# Allegro board C000PC009-HI3516DV300-CORE-A-A01.brd (continued)
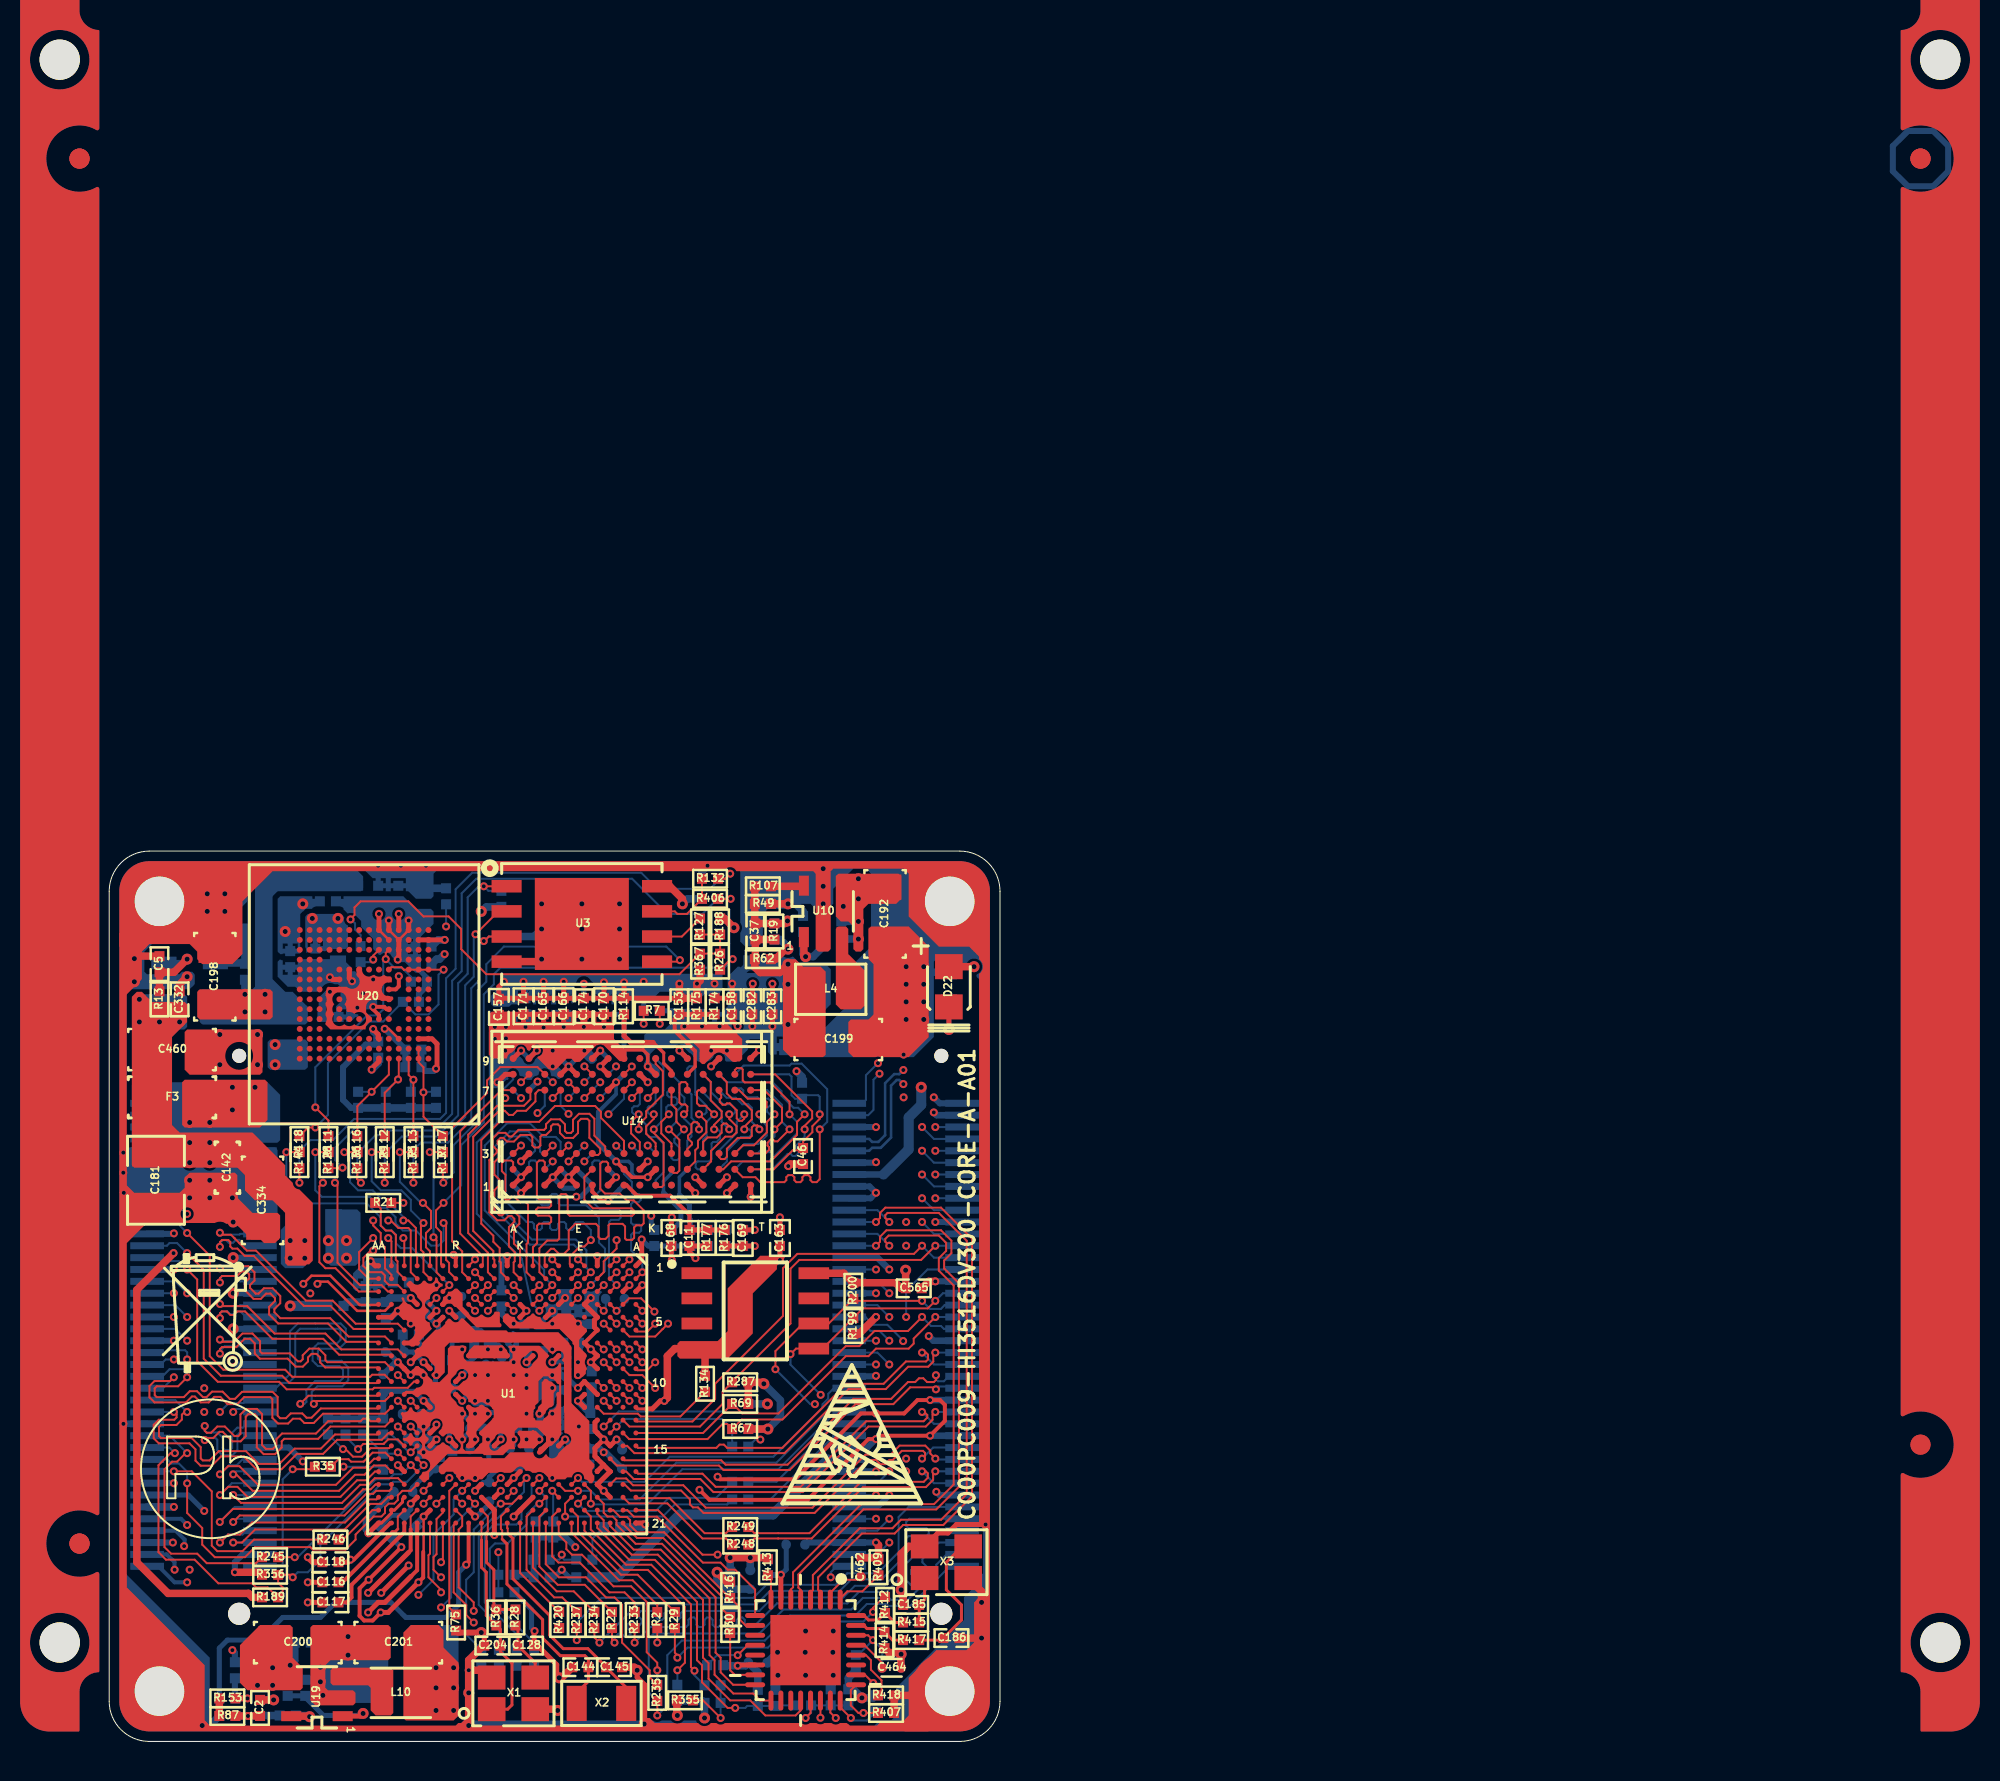
[diagram p0: board, top side]
## Nets (continued)
$25N69: R30.1(A) U1.B21(RMII_CLK/GPIO7_2/LCD_HSYNC)
$25N1561: R249.1(A) U1.A19(DSI_D3P/GPIO9_0/LCD_DATA16)
$25N1562: R248.1(A) U1.B19(DSI_D3N/GPIO9_1/LCD_DATA17)
$25N1563: R205.2(B) R247.2(B) U1.W16(SPI0_SCLK/GPIO4_2/I2C0_SCL)
$25N1564: R246.2(B) U1.AA20(VI_VS/GPIO4_6/SENSOR1_CLK)
$25N1565: R245.2(B) U1.V17(SENSOR0_CLK/GPIO4_0)
$25N1576: R35.2(B) U1.Y16(VI_CLK/GPIO2_3/VOU_CLK)
$27N556: R132.1(A) R406.1(A) U3.7(\\H\O\LD\)
$27N1472: R146.1(A) U20.H5(RCLK/DS)
$27N1480: C55.1(A) C57.1(A) U20.C2(VDDI)
N14034: R2.1(A) U1.F21(GPIO0_6/LCD_CLK/VOU_CLK)
N15637: C56.1(A) R25.2(B)
N23259: C423.1(A) R308.2(B) U19.1(EN)
N23347: D22.2(B) R225.2(B)
N23431: C81.1(A) R170.2(B) U10.1(EN)

Pads without a net: ID1 1; ID2 1; ID3 1; ID4 1; ID5 1; ID6 1; R420 2; R421 2; R422 2; R423 2; R424 2; U1 B12 E5; U14 J1 J9 L1 L9; U15 J1 J9 L1 L9; U20 A1 A2 A7 A8 A9 A10 A11 A12 A13 A14 B1 B3 B4 B5 B6 B7 B8 B9 B10 B11 B12 B13 B14 C1 C3 C5 C7 C8 C9 C10 C11 C12 C13 C14 D1 D2 D3 D4 D12 D13 D14 E1 E2 E3 E5 E8 E9 E10 E12 E13 E14 F1 F2 F3 F10 F12 F13 F14 G1 G2 G3 G10 G12 G13 G14 H1 H2 H3 H12 H13 H14 J1 J2 J3 J12 J13 J14 K1 K2 K3 K6 K7 K10 K12 K13 K14 L1 L2 L3 L12 L13 L14 M1 M2 M3 M7 M8 M9 M10 M11 M12 M13 M14 N1 N3 N6 N7 N8 N9 N10 N11 N12 N13 N14 P1 P2 P7 P8 P9 P10 P11 P12 P13 P14; U21 11 13 18 19 27; U59 1 2 3 7

## Via types
v1: diameter 0.406, hole 0.203, TOP to BOTTOM, 594 vias
v2: diameter 0.559, hole 0.254, TOP to BOTTOM, 140 vias

## Routing (per net, layer and track width the routed paths; a pad name or vN(x,y) marks a point on that pad's centre or on a via; arc(x,y) is an arc through that point)
1V8: length 39.4
  TOP w0.381: v1(3.25,24.68) 1.4,22.83 1.4,9.06 2.97,7.48 7.04,7.48 7.24,7.28 R189.1
  ART03 w0.381: v2(6.86,36.87) 5.46,36.87 2.41,33.82 2.41,25.52 v1(3.25,24.68)
  BOTTOM w0.381: R3.1 v2(6.86,37.76)
  vias: v2(7.87,37.76) v2(7.87,36.87)
1V8_SOC: length 23.8
  TOP w0.254: v1(16.53,21.11) 16.86,21.44 U1.T5 ; U1.U15 16.21,14.94 v1(16.53,15.26) ; U1.U14 16.21,15.59 16.53,15.91 v1(16.53,16.02) ; U1.K17 20.43,13.32 v1(20.43,13.32) U1.L18 ; U1.U12 v1(15.88,17.21)
  ART03 w0.254: v1(23.55,9.82) 23.47,9.9 22.02,9.9 21.21,10.71 21.21,12.54 v1(20.43,13.32)
  BOTTOM w0.254: C22.1 13.93,17.69 15.4,17.69 v1(15.88,17.21) 16.19,17.21 16.45,16.96 C122.2 16.45,16.81 16.26,16.81 16,16.55 C139.2 ; C125.1 16.49,21.11 v1(16.53,21.11) 16.64,21.01 R148.2 ; C141.2 16.49,15.3 v1(16.53,15.26)
  BOTTOM w0.305: R204.1 R207.1 R205.1 R208.1 C22.1 ; v1(23.55,9.82) 23.06,10.3 R197.2 R195.2 21.54,9.41 21.44,9.31 R89.1 R40.1 21.31,8.42 R143.1
  vias: v2(8.38,35.22) v2(8.38,34.2)
3V3: length 39.3
  TOP w0.254: v1(31.75,3.83) 31.79,3.86 U21.14
  TOP w0.381: U3.8 28.32,43.22 28.96,42.59 v2(28.96,42.33) ; R199.2 37.87,20.59 v1(38.74,21.45) ; R413.1 33.2,9.29 v2(32.39,9.29) v2(31.37,9.29) ; 42.42,39.16 v2(43.69,39.16) ; R188.1 31.09,41.6 v2(31.56,41.13) ; R69.2 R287.1 32.99,18.15 v2(33.07,18.08) ; v2(33.27,15.79) R67.2 ; U59.8 37.11,23.66 R200.2 39.73,23.18 40.01,22.9 C565.2 v2(40.23,23.82)
  BOTTOM w0.254: R108.2 9.58,39.95 ; R108.2 9.14,40.38 ; R108.2 8.71,39.95 ; 10.21,42.46 R109.2 10.21,42.24
  BOTTOM w0.381: R192.1 19.05,42.18 18.82,41.95 v2(18.8,41.95) ; R411.2 38.61,2.2 v2(38.02,2.2) 37.59,2.63 R408.2 37.34,3.2 LB1.1 ; R366.1 29.21,42.59 v2(28.96,42.33) ; R96.1 29.97,2.05 R206.1 v2(30.07,1.18) ; R196.1 32.77,3.51 C461.1 32.14,3.83 v1(31.75,3.83) 31.04,3.83 R419.1 ; R170.1 v2(37.85,40.55) ; C120.1 v2(31.37,9.29) ; C466.1 v2(32.39,9.29) 32.41,9.31 33.16,9.31 LB2.1 ; C69.1 v2(37.85,41.44) ; C98.1 9.37,4.08 v2(9.14,3.85) 9.02,3.72 R308.1 ; R67.2 v2(33.27,15.79) 33.91,16.42 33.91,17.24 v2(33.07,18.08)
  vias: v2(1.52,37.51) v2(1.52,36.36) v2(2.54,36.36) v2(3.56,36.36) v2(4.06,30.27) v2(4.06,29.25) v2(5.08,30.27) v2(5.08,29.25) v2(7.49,2.84) v2(8.26,3.72) v2(8.26,2.84) v2(8.89,40.94) v2(9.14,25.31) v2(9.14,24.43) v2(9.78,42.33) v2(9.88,25.31) v2(9.88,24.43) v2(37.08,42.21) v2(37.85,43.6) v2(37.85,42.59)
3V3_SOC: length 18.1
  TOP w0.254: U1.V8 v1(15.23,19.17)
  TOP w0.381: 23.16,16.73 23.16,19.88 22.77,20.27
  BOTTOM w0.254: R39.2 15.64,20.13 R149.2 16.53,19.24 v1(16.53,18.52) 16.48,18.47 LB14.1 ; LB19.1 22,19.82 v1(22.38,19.82) ; C36.2 15.33,12.83 15.75,13.25 15.91,13.25 C126.2 16.69,13.79 16.78,13.87 17.31,13.87 LB11.1 17.59,13.65 17.59,13.56 v1(17.83,13.32) v1(18.48,13.32) 18.48,13.5 C95.1
  BOTTOM w0.305: LB16.1 21.54,13.9 C94.1 21.77,13.96 22.38,13.35 v1(22.38,13.32) ; v1(23.72,15.92) 23.72,15.43 24.26,14.9 LB5.1 24.81,14.79 v1(24.98,14.62) 25.09,14.62 C93.1
  vias: v2(11.07,25.31) v2(11.07,24.43) v2(11.99,25.31) v2(11.99,24.43)
5V0_USB: length 68.7
  ART03 w0.254: v2(9.14,22.01) 7.24,23.92 7.24,31.66 9.14,33.57 9.14,39.28 10.92,41.06 10.92,42.08 12.47,43.63 16.41,43.63 16.66,43.88 29.74,43.88 30.4,43.22 34.54,43.22 35.18,42.59 35.18,42.21 39.4,37.99 39.4,36.34 41.02,34.71 v2(41.02,33.06)
  BOTTOM w0.33: 39.12,28.65 J1.68
  BOTTOM w0.508: v2(41.02,33.06) 41.02,32.17 40.39,31.54 40.39,29.92 39.12,28.65 ; R76.2 v2(9.14,22.01)
AVDD09_HDMITX: length 2.2
  TOP w0.254: U1.R10 17.51,18.19 v1(17.83,18.52)
  BOTTOM w0.254: v1(17.83,18.52) 18.07,18.75 C100.1 18.44,19.41 LB15.2
AVDD09_PLL: length 1.8
  TOP w0.254: v1(19.78,15.26) 19.46,14.94 U1.M15
  BOTTOM w0.254: LB17.2 19.9,15.85 C102.1 19.78,15.73 v1(19.78,15.26)
AVDD33_AC: length 1.7
  TOP w0.254: v1(17.18,15.26) 17.51,14.94 U1.R15
  BOTTOM w0.254: LB11.2 17.34,15.11 v1(17.18,15.26) 17.18,15.73 C96.1
AVDD33_DDR_PLL: length 1.8
  TOP w0.254: U1.J8 v1(21.08,19.17)
  BOTTOM w0.254: LB19.2 21.08,19.68 v1(21.08,19.17) 21.3,18.94 C104.1
AVDD33_HDMITX: length 2
  TOP w0.254: U1.R11 17.51,17.54 v1(17.83,17.21)
  BOTTOM w0.254: LB14.2 17.31,17.87 C99.1 18.03,17.42 v1(17.83,17.21)
AVDD33_PLL: length 2.5
  TOP w0.254: v1(18.48,12.67) 18.48,12.69 18.78,12.99 U1.N18
  BOTTOM w0.254: v1(18.48,12.67) 18.9,13.08 C101.1 19.2,13.36 19.74,13.9 LB16.2
AVDD33_USB: length 2.6
  TOP w0.254: U1.U9 v1(15.88,19.17)
  BOTTOM w0.254: v1(15.88,19.17) 15.37,19.68 C110.2 14.83,19.76 R39.1
AVDD3318_MIPITX: length 2.3
  TOP w0.254: v1(23.03,15.26) 22.71,14.94 U1.G15
  BOTTOM w0.305: LB5.2 24.1,14 C123.2 23.37,14.93 v1(23.03,15.26)
AVDD_BAT_RTC: length 8.4
  TOP w0.254: U1.M19 v1(19.78,12.67)
  ART03 w0.254: v1(22.86,8.68) 22.86,8.68 21.85,8.68 19.33,11.19 19.33,12.21 v1(19.78,12.67)
  BOTTOM w0.254: R91.2 23.24,8.3 v1(22.86,8.68) 22.48,8.3 R40.2
DDRIO_1.5V/1.35V: length 75.7
  TOP w0.178: 25.35,35.22 25.62,34.95 26.97,34.95 27.2,34.72 v1(27.2,34.12) ; 26.4,28.52 v1(27.2,28.52)
  TOP w0.203: v1(25.21,27.32) 24.88,27.32 24.4,27.79 24.4,28.12 U14.F1 ; v1(25.61,29.31) 26,28.92 26,28.92 ; 26,28.92 U14.H2 ; 26,28.92 26.4,28.52
  TOP w0.254: v1(32.61,25.04) C169.1 R176.2 ; v1(27.2,28.52) 27.6,28.92 U14.K2 ; v1(27.2,34.12) 27.6,33.72 U14.K8 ; C170.1 25.41,36.75 ; C170.1 24.56,36.75 ; C170.1 24.99,36.32 ; U14.N1 v1(29.6,28.52) ; C282.1 v1(32.49,36.14) ; v1(31.47,38.3) C158.1 R174.2 ; U1.E11 24.01,17.54 v1(23.68,17.21) 24.01,16.89 U1.E12 ; v1(19.6,33.32) 20,33.72 U14.A8 ; C163.1 v1(33.88,26.49) ; 22.96,36.32 C166.1 ; C166.1 22.53,36.75 ; C166.1 23.39,36.75 ; 21.95,36.32 C165.1 ; C165.1 21.51,36.75 ; C165.1 22.38,36.75 ; C283.1 v1(33.5,36.14) ; 20.93,36.32 C171.1 ; C171.1 21.36,36.75 ; C171.1 20.5,36.75 ; v1(25.6,33.32) U14.G7 ; U14.B2 v1(20.81,28.52) U14.A1 ; C168.1 28.4,26.46 v1(28.42,26.49) ; U14.R1 v1(31.2,27.72) ; U14.D2 v1(22.4,28.52) U14.C1 ; U14.E9 v1(24,34.92)
  TOP w0.358: 23.54,36.75 C174.1 ; C174.1 23.98,36.32 ; C174.1 24.41,36.75
  TOP w0.381: R19.1 C37.1 32.64,39.56 R62.1 32.61,39.13 32.88,38.86 33.87,38.86 v2(34.29,39.28)
  ART03 w0.254: v1(19.6,33.32) 19.6,32.92 v1(20,32.52) ; v1(25.21,27.32) 26.09,28.2 26.09,28.84 25.96,28.96 25.96,28.96 v1(25.61,29.31)
  ART03 w0.381: v1(20.81,28.52) v1(22.4,28.52)
  ART04 w0.254: v1(20.81,28.52) 20.19,29.13 20.19,32.33 v1(20,32.52)
  BOTTOM w0.178: v1(25.61,29.31) 26.24,29.31 26.4,29.15 26.4,28.69 26.58,28.52 v1(27.2,28.52) ; 25.6,32.71 v1(25.6,33.32)
  BOTTOM w0.203: 24.71,31.82 25.6,32.71
  BOTTOM w0.254: C284.1 v1(21.03,36.12) ; U15.F1 v1(24.01,34.92) 22.96,35.96 v1(22.96,36.12) C166.1 ; v1(27.38,26.57) 27.38,26.01 C172.1 ; R179.2 v1(23.98,38.29) ; v1(29.6,28.52) U14.N1 ; 30.15,36.75 C167.1 ; C167.1 30.58,36.32 ; C167.1 31.01,36.75 ; U14.R1 v1(31.2,27.72) ; 24.71,31.82 24.71,30.21 24.92,30 24.92,30 U15.G7 25.21,29.72 v1(25.61,29.31) ; U15.D2 v1(22.41,34.12) ; U14.R9 v1(31.2,34.92) ; 21.51,36.75 C165.1 ; C165.1 22.38,36.75 ; C165.1 v1(21.95,36.09) ; C163.1 v1(33.88,26.49) ; v1(32.61,25.04) C164.1 R181.2 ; U15.H2 v1(25.6,33.32) ; U14.K2 27.6,28.92 v1(27.2,28.52) ; C154.1 28.63,36.93 C285.1 ; U15.A8 v1(20.8,28.52) ; U15.H9 26,28.12 25.77,27.88 25.77,27.88 v1(25.21,27.32) ; U14.C9 v1(22.4,34.92) ; U14.C1 v1(22.4,28.52) U15.D9 22.96,27.96 23.45,27.96 U15.E9
  BOTTOM w0.305: C7.1 19.81,21.63 20.33,21.11 v1(20.43,21.11) 20.47,21.07 C3.1
  BOTTOM w0.381: C12.1 24.31,17.83 C108.1 24.29,16.6 v1(23.68,17.21) ; LB20.1 23.74,19.23 v1(23.68,19.17) v1(23.68,18.52) ; v1(22.38,21.11) 23.05,21.11 C9.1 23.64,21.07 v1(23.68,21.11) 23.7,21.1 C23.1
  BOTTOM w0.404: 31.85,38.8 C210.1 33.02,39.35 ; 33.67,35.09 C225.1 ; C225.1 34.79,35.09 ; C225.1 34.23,35.68
  vias: v1(19.48,36.12) v1(19.48,35.51) v1(20.04,36.12) v1(20.04,35.53) v1(20.01,34.92) v1(23.98,36.12) v1(24.99,36.12) v1(29.06,36.14) v1(29.95,36.14) v1(30.4,34.92) v1(30.84,36.14) v2(34.29,38.27) v2(34.29,36.24)
DVDD: length 26.2
  TOP w0.254: 18.16,19.49 18.48,19.82 U1.N8 v1(19.13,19.82) U1.M8 v1(19.78,19.82) U1.L8 ; v1(18.48,16.56) 18.16,16.24 ; v1(18.48,16.56) 18.16,16.89 ; v1(18.48,16.56) 18.81,16.24 U1.N13 v1(19.13,16.56) 18.81,16.89 ; U1.H11 v1(22.38,17.87) ; v1(21.73,16.56) 22.05,16.89 22.06,16.89 ; 18.16,15.59 v1(18.48,15.26) 18.16,14.94 ; 21.41,14.94 v1(21.08,15.26) 21.41,15.59 v1(21.73,15.26) 21.41,14.94
  TOP w0.381: C2.1 v2(8.31,2.1)
  ART03 w0.381: v2(16.51,2.71) 12.83,2.71 11.81,1.69 10.54,1.69 10.13,2.1 v2(8.31,2.1)
  BOTTOM w0.203: v1(21.73,15.26) 21.27,14.8 C111.1 21.08,14.91 v1(21.08,15.26)
  BOTTOM w0.254: LB15.1 18.78,20.76 C112.1 ; C113.1 22.94,17.87 v1(22.38,17.87) 22.38,17.31 C73.1 21.73,16.66 v1(21.73,16.56) ; v1(18.48,16.56) v1(19.13,16.56) 19.19,16.63 19.59,16.63 C115.1 C109.1 ; C119.1 18.23,15.02 v1(18.48,15.26)
  BOTTOM w0.381: C2.1 v2(8.31,2.1)
  vias: v2(16.51,3.72) v2(16.51,1.57) v2(17.4,3.72) v2(17.4,2.71) v2(17.4,1.57)
DVDD3318_SDIO_VOUT: length 55.5
  TOP w0.254: U1.U5 v1(16.53,21.76)
  ART03 w0.381: v1(41.66,31.79) 41.4,32.05 39.88,32.05 34.67,37.25 33.15,37.25 32.77,37.63 32.28,37.63 32,37.91 32,38.52 31.62,38.9 31.12,38.9 29.54,40.48 21.26,40.48 20.7,39.92 18.54,39.92 14.73,36.11 14.73,35.86 13.84,34.97 13.21,34.97 12.73,34.48 12.73,29.18 12.04,28.49 12.04,27.88 12.7,27.22 12.7,24.04 13.08,23.66 14.99,23.66 15.76,22.89 15.76,22.38 16.38,21.76 v1(16.53,21.76)
  BOTTOM w0.254: v1(16.53,21.76) 15.14,23.16 C41.1
  BOTTOM w0.33: v1(41.66,31.79) 41.8,31.65 J1.77
GND: length 432.1
  TOP w0.102: U1.K4 20.76,22.09
  TOP w0.127: v1(13.92,36.02) 14.12,36.02 U20.C4 ; 15.86,9.58 15.88,9.6 v1(15.88,11.37) ; U20.N5 U20.P6
  TOP w0.152: 27.14,16.81 26.69,16.81 U1.A12 ; U1.W19 14.82,12.25 14.82,12.1 14.41,11.69 U1.Y20 14.26,11.55 13.75,11.04 13.61,11.04 U1.AA21 ; U1.V11 15.45,17.64 15.01,17.64 U1.W11
  TOP w0.203: 15.86,9.58 15.86,8.28 v1(15.62,8.04) ; U1.D6 U1.E7 ; v1(30.73,13.38) 30.86,13.25 34.65,13.25 37.97,16.58 v1(38.74,16.58) 40.16,16.58 40.83,17.25 v1(41.47,17.25) 41.97,17.25 42.21,17.01 42.21,16.2 v1(41.47,15.45) 38.91,15.45 v1(38.74,15.28) 38.35,15.28 35.28,12.21 30.33,12.21 v1(29.82,12.72) ; v1(17.4,24.59) 17.53,24.47 17.51,24.45 17.51,24.04 U1.R1 ; v1(14.76,9.82) v1(13.11,8.17) 13.08,8.17 12.65,7.74 12.65,6.34 12.88,6.11 13.31,6.11 v1(13.72,6.52)
  TOP w0.229: U1.Y5 U1.AA5
  TOP w0.254: U1.D9 v1(24.33,19.17) 24.66,19.49 U1.D8 24.66,19.49 v1(24.33,19.82) 24.01,20.14 U1.E7 ; 27.14,16.81 27.43,16.81 27.84,17.21 v1(28.04,17.21) ; v1(20.81,29.32) U14.B3 ; U14.E8 v1(23.2,34.12) 22.81,33.72 U14.D8 ; U14.B1 20.81,27.72 v1(20.81,27.72) ; U14.G9 v1(24.81,34.12) U14.G8 ; v1(25.6,28.52) U14.G1 ; v1(24.98,15.26) U1.D15 24.54,14.82 24.54,14.41 U1.D16 24.66,14.29 24.97,13.97 ; v1(24.98,15.26) 24.98,15.26 U1.C15 v1(25.63,15.26) ; v1(24.98,15.26) 24.66,15.59 U1.D14 24.54,15.71 24.54,16.12 U1.D13 ; v1(23.2,28.52) U14.E2 ; v1(23.2,28.52) U14.E1 ; v1(23.2,28.52) U14.D1 ; v1(17.18,22.41) U1.T4 16.86,22.09 ; v1(17.18,22.41) 17.51,22.74 ; v1(17.18,22.41) 17.51,22.09 ; U1.B3 25.96,22.74 v1(26.28,23.06) ; U1.H15 22.06,14.94 21.73,14.61 ; U14.P1 v1(31.2,28.52) ; v1(13.21,24.27) 13.44,24.04 U1.AA1 ; C283.2 v1(33.5,38.29) ; U1.D6 24.51,20.94 24.51,21.29 U1.D5 U1.E4 24.01,22.09 v1(24.33,22.41) ; C166.2 C165.2 ; C166.2 C174.2 C170.2 ; C166.2 v1(22.96,38.4) ; C165.2 v1(21.95,38.4) ; C165.2 C171.2 ; U1.A21 26.61,11.04 26.97,11.04 27.05,10.96 v1(27.08,10.96) ; U1.U3 v1(16.53,23.06) ; U1.L1 v1(20.11,24.53) ; U1.W4 v1(14.58,21.76) ; v1(14.58,21.76) U1.W5 ; v1(14.58,21.76) U1.Y5 ; U1.AA21 13.12,10.55 13.12,10.54 v1(13.09,10.52) ; U14.A9 20.41,34.52 v1(20.81,34.92) ; v1(26.93,23.06) 26.61,22.74 U1.A3 ; v1(15.13,8.89) v1(13.74,7.51) ; v1(22.38,21.76) 22.06,21.44 U1.H5 ; v2(22.73,3.22) 22.61,3.34 22.61,3.88 21.64,4.84 C128.2 21.46,5.55 v1(21.49,5.58) ; C282.2 32.49,38.27 v1(32.51,38.3) ; v2(18.8,5.5) 18.95,5.35 C204.2 ; 24.97,13.97 24.66,13.66 U1.D17 ; 24.97,13.97 U1.C17 25.31,13.64 24.66,12.99 U1.D18 v1(24.98,12.66) U1.C19 ; R177.1 C11.2 29.31,24.73 v1(29.62,24.43) ; v1(32.61,25.85) C169.2 ; U1.U20 16.21,11.69 v1(15.88,11.37) ; U14.M1 v1(29.6,27.72) ; U1.K5 20.76,21.44 v1(21.08,21.76) 20.76,22.09 ; U1.U11 16.21,18.19 v1(15.88,18.52) 15.56,18.84 U1.V9 15.56,18.84 v1(15.23,18.52) U1.W9 v1(14.58,19.17) ; U1.P20 v1(18.48,11.37) ; v1(13.34,38.51) 12.88,38.51 12.63,38.77 U20.K8 ; v1(20.93,38.4) C171.2 ; C171.2 19.72,37.56 C157.2 19.69,38.14 v1(19.94,38.4) ; v1(12.83,37.81) 13.54,37.81 13.79,37.56 14.08,37.56 U20.G5 ; R114.1 v1(26.01,38.37) ; R114.1 C153.2 ; R114.1 C170.2 ; v1(15.62,8.04) 14.1,6.52 v1(13.72,6.52) ; U1.V7 U1.W7 ; C170.2 v1(24.99,38.37) ; v2(26.67,3.6) 26.67,3.24 27.05,2.86 27.05,0.91 v2(27.03,0.88) ; v1(31.75,36.15) 31.47,36.43 C158.2 ; U1.N19 U1.M20 U1.M21 v1(19.46,10.43) ; U1.G4 22.71,22.09 v1(23.03,22.41) ; v1(24.66,24.53) U1.D1 ; U14.F9 v1(24.8,34.92) ; U1.J19 U1.K20 20.76,11.69 v1(20.43,11.36) ; U1.W17 14.91,13.64 v1(14.58,13.96) ; 19.13,21.11 U1.M5 ; U1.A1 26.9,24.33 v1(26.9,25.37) ; v1(28.81,34.92) 29.2,34.52 U14.M9 ; v1(13.26,33.95) 13.26,34 13.63,34.37 U20.A6 ; U20.P4 v1(14.63,41.82) ; 24.01,18.19 24.66,17.54 U1.D11 ; 24.01,18.19 U1.E10 ; 24.01,18.19 v1(23.68,17.87) ; X3.4 41.19,9.86 41.86,10.53 42.37,10.53 42.8,10.96 v1(44.27,10.96) ; U20.N2 v1(16.95,40.51) ; U14.B9 v1(21.6,34.92) ; v1(27.2,29.32) U14.J2 ; U14.T1 v1(32.4,27.53) ; C168.2 28.4,24.36 v1(28.42,24.33) ; U14.P9 v1(30.41,34.12) ; U20.P6 v1(13.63,41.82) ; v1(27.2,33.32) U14.J8 ; U14.T9 v1(32.83,34.94) ; C163.2 v1(33.88,24.33)
  TOP w0.305: R75.2 17.63,5.5 v2(18.8,5.5) ; C118.1 10.29,9.06 v1(10.03,9.31)
  TOP w0.381: R407.2 R418.1 42.25,2.33 H1.1 ; X1.4 18.95,3.6 v1(18.16,3.6) ; U3.4 21.72,39.41 v2(21.84,39.54) ; R416.2 31.19,8.07 v2(30.71,8.55) ; v1(18.16,3.6) v2(18.16,2.45) v2(18.16,0.8) ; v1(18.16,3.6) 18.16,4.11 18.9,4.84 C204.2 ; X1.2 22.59,1.63 v2(22.65,1.57) ; R367.2 29.85,38.45 v1(29.69,38.3) R175.1 C153.2 v1(28.8,38.3) ; R49.1 v2(34.29,42.33) ; C145.2 26.52,3.75 v2(26.67,3.6) ; R414.1 39.4,4.49 39.88,4.49 39.95,4.41 v2(40.01,4.41) 39.99,4.4 C464.2 ; C46.2 34.4,29.18 v1(34.3,29.08) ; C144.2 22.86,3.22 v2(22.73,3.22) ; C565.1 41.4,23.25 v1(41.73,23.25) ; C332.2 3.56,38.27 v2(3.94,38.65) ; C462.2 38.8,9.27 R409.1 38.86,9.93 v1(38.74,10.05) ; v2(44.07,7.03) 44.07,7.58 X3.2 ; v1(28.04,17.21) 28.19,17.36 28.19,19.47 28.58,19.85 U59.4 30.1,19.44 R134.1 ; R355.2 28.68,1.34 v2(28.7,1.31) ; X3.4 40.39,9.86 40.01,9.48 v2(40.01,7.66) 40.11,7.56 C185.1 ; R356.2 7.59,8.55 v1(6.35,8.55) ; C5.2 1.4,39.69 v2(1.27,39.56) ; C186.1 v2(44.07,5.22)
  ART03 w0.203: 3.27,10.58 3.27,10.58 3.68,10.58 4.38,9.89
  ART03 w0.254: v1(13.11,8.17) 13.11,9.16 11.68,10.58 8.89,10.58 7.47,12.01 5.41,12.01 5.21,12.21 4.7,12.21 4.01,11.52 ; v1(13.11,8.17) 11.18,8.17 ; v1(13.11,8.17) 13.74,7.53 v1(13.74,7.51) 13.26,7.03 13.21,7.03 ; v1(24.98,15.26) v1(25.63,15.26) ; v1(4.06,8.68) 4.19,8.68 5.33,7.53 6.99,7.53 8.23,6.29 10.06,6.29 10.54,6.77 10.54,7.53 ; v1(4.06,8.68) 3.94,8.68 3.3,8.04 3.3,7.53 v1(6.22,4.61) 6.99,4.61 7.72,5.35 10.57,5.35 12.24,7.03 13.21,7.03 ; v1(4.06,8.68) 4.06,8.8 3.2,9.67 3.2,10.03 v1(3.22,10.05) ; 11.18,8.17 10.54,7.53 ; 11.18,8.17 v1(10.03,9.31) 9.53,8.8 8.76,8.8 7.04,10.53 5.11,10.53 4.11,11.52 4.01,11.52 ; v1(3.22,10.05) 3.27,10.1 v1(3.27,11.85) 3.66,11.85 3.99,11.52 4.01,11.52 ; v1(3.22,10.05) 2.9,10.05 2.28,9.43 2.28,7.03 5.72,3.6 7.39,3.6 8.15,4.36 11.13,4.36 v2(12.07,5.3) 12.5,5.3 v1(13.72,6.52) 13.21,7.03 ; 10.54,7.53 9.82,7.53 9.5,7.22 8.61,7.22 7.28,8.55 v1(6.35,8.55) 5.69,8.55 4.38,9.86 4.38,9.88
  BOTTOM w0.127: 15.88,15.94 16.34,16.4 16.94,16.4
  BOTTOM w0.203: C139.1 15.1,16.55 15.32,16.34
  BOTTOM w0.254: C113.2 23.1,16.76 C121.2 ; C113.2 22.66,16.38 ; C113.2 22.66,16.77 ; C99.2 18.97,17.37 v1(19.13,17.21) ; C99.2 18.56,17.87 ; C99.2 19.36,18.31 ; C99.2 18.97,18.31 ; v1(32.83,34.94) 32.61,34.73 U14.T9 ; 13.89,23.2 C41.2 ; C41.2 14.33,23.63 ; C41.2 14.54,23.63 ; C41.2 13.89,23.63 ; 19.41,18.46 C107.2 20.27,18.46 ; v1(28.81,34.92) 29.2,34.52 U14.M9 ; 28.37,38 C153.2 29.24,38 ; 16.66,14.28 C126.1 16,14.73 v1(15.88,14.61) 15.19,15.3 C141.1 ; C96.2 18.21,15.65 v1(17.83,15.26) ; C96.2 18.21,16.18 v1(17.83,16.56) 17.56,16.84 C122.1 17.19,16.64 16.94,16.4 ; C96.2 C102.2 19.13,15.62 v1(19.13,15.26) 19.17,15.22 C119.2 ; 21.33,18.45 C104.2 ; C104.2 21.34,18 ; C104.2 21.77,18.42 ; C104.2 21.77,17.62 ; C104.2 22.2,18.45 ; U14.B1 v1(20.81,27.72) U15.A9 ; C159.2 R180.1 ; C159.2 29.36,24.68 v1(29.62,24.43) ; C159.2 R115.1 ; R115.1 v1(28.42,24.33) ; R115.1 C172.2 27.23,25.04 v1(26.9,25.37) ; v1(27.2,33.32) U14.J8 ; C73.2 21.32,16.81 v1(21.08,16.56) ; C73.2 21.16,16.75 ; C73.2 21.55,17.19 21.72,17.35 ; C73.2 20.94,17.19 ; C73.2 21.32,17.65 ; C73.2 21.77,17.4 ; C140.1 14.73,9.82 v1(14.76,9.82) ; 23.15,14.24 C123.1 22.93,14.24 ; C166.2 23.39,37.56 ; C166.2 v1(22.96,38.4) ; C166.2 23.39,38 ; C166.2 C165.2 ; 30.15,38 C167.2 30.8,38 ; 22.65,15.74 C121.2 ; C121.2 22.65,16.39 ; v1(20.93,38.4) 20.93,38.27 21.03,38.17 C284.2 ; C165.2 22.38,38 ; C165.2 C284.2 ; C165.2 21.51,38 ; C165.2 v1(21.95,38.4) ; 13.59,43.73 C60.2 14.02,43.25 ; 24.56,38 C170.2 ; C170.2 v1(24.99,38.37) ; C170.2 25.43,38 ; C170.2 R114.1 ; R114.1 v1(26.01,38.37) ; R114.1 26.44,38 ; R114.1 26.44,37.56 ; R114.1 25.58,38 ; v1(23.68,17.87) 23.66,17.87 C106.2 ; C284.2 20.6,37.56 ; C284.2 21.46,38 ; C112.2 20.14,20.1 v1(20.43,19.81) ; C112.2 20.53,20.55 ; C112.2 20.53,20.34 ; v1(14.58,19.17) 14.07,19.68 C110.1 ; C106.2 23.1,18.84 ; C106.2 22.66,18.68 ; C106.2 22.66,18.42 ; v1(21.49,5.58) 21.34,5.73 21.34,6.67 C188.1 ; C95.2 19.18,14.03 C119.2 ; R142.1 12.95,23.45 ; R142.1 13.39,23.45 ; R142.1 13.39,23.02 ; R142.1 12.52,23.02 ; C94.2 22.93,14.39 ; C94.2 22.54,14.39 ; C94.2 22.38,14.12 v1(22.38,15.26) ; C154.2 v1(27,38.4) ; v1(23.2,34.12) U15.E1 ; v1(23.2,34.12) U15.D1 ; v1(23.2,34.12) U14.E8 ; v1(24.33,19.17) 24.33,18.77 24.37,18.73 C12.2 ; v1(24.98,15.26) 24.46,15.79 24.31,15.79 ; C115.2 20.56,16.73 20.19,17.1 ; C115.2 20.19,16.3 ; C115.2 20.58,16.74 20.19,16.36 ; C115.2 20.19,17.17 ; v1(32.4,27.53) 32.4,27.53 U14.T1 ; v1(23.6,27.53) 23.82,27.53 U15.F9 U14.E2 v1(23.2,28.52) U15.D8 ; C109.2 21.02,17.65 ; C109.2 20.64,18.08 ; C109.2 20.23,17.65 ; C109.2 20.64,17.25 ; C100.2 19.4,19.04 ; C100.2 19.01,18.61 ; C100.2 19.01,19.04 v1(18.48,18.52) ; v1(30.41,34.12) U14.P9 ; v1(27.2,29.32) U14.J2 ; v1(20.43,15.26) 20.43,14.97 C111.2 20.23,14.77 C119.2 ; U14.M1 v1(29.6,27.72) ; C164.2 v1(32.61,25.85) ; U14.G1 v1(25.6,28.52) 25.21,28.92 U15.G8 ; v1(21.6,34.92) U14.B9 v1(20.81,34.92) ; C101.2 19.2,12.01 18.56,11.37 v1(18.48,11.37) ; 29.26,38 R175.1 30.12,38 ; v1(24.81,34.12) 24.81,34.12 25.2,34.51 U14.G9 v1(24.8,34.92) ; 10.41,40.5 C66.2 10.85,40.07 ; C90.1 17.25,22.48 v1(17.18,22.41) ; v1(22.38,21.76) 21.79,21.18 C3.2 ; U14.P1 v1(31.2,28.52) ; 14.17,43.25 C65.2 15.04,43.25 ; U15.B3 v1(21.64,33.35) ; C163.2 v1(33.88,24.33)
  BOTTOM w0.305: v1(39.41,12.45) 38.81,11.85 J1.12 ; J2.21 9.08,14.85 v1(9.78,14.15) ; v1(20.11,24.53) 19.81,24.23 C7.2 ; C27.2 6.35,4.49 v1(6.22,4.61) ; C55.2 C57.2 14.87,35.06 14.88,35.06 v1(13.92,36.02) ; v1(38.74,15.28) 38.31,14.85 J1.22 ; v1(6.35,8.55) 6.35,9.06 6.74,9.45 J2.3 ; J1.79 41.96,32.25 v1(41.66,32.55) ; v1(38.74,29.28) 38.71,29.25 J1.70 ; J1.48 v1(38.74,22.65) ; J1.18 v1(38.74,13.65) ; v1(25.63,15.26) 25.91,14.99 C93.2 ; J2.16 v1(3.27,13.05) ; v1(3.27,25.68) 3.24,25.65 J2.58 ; J1.66 38.41,28.05 v1(38.74,27.73) 38.46,27.45 J1.64 ; J1.13 41.95,12.45 v1(41.78,12.61) ; J2.6 v1(3.22,10.05) ; J1.59 v1(41.73,26.25) ; v1(14.58,19.17) 14.46,19.17 C22.2 ; v1(15.23,21.12) 15.23,21.44 C125.2 14.9,21.76 v1(14.58,21.76) 14.21,21.39 C59.2 ; J2.53 v2(6.26,24.45) ; J1.49 v1(41.73,23.25) ; C43.2 15.5,10.98 v1(15.88,11.37) ; v1(38.74,18.48) 38.71,18.45 J1.34 ; C463.2 35.25,10.05 J1.6 v1(38.74,10.05) ; v1(13.09,10.52) 13.09,10.57 12.95,10.71 12.95,11.18 C36.1 ; v2(6.22,19.23) 6.4,19.05 J2.35 ; J2.41 v2(6.26,20.85) ; J1.76 v1(38.74,31.05) ; v1(3.27,20.25) J2.40 ; J2.59 v2(6.26,26.25) ; J2.47 v2(6.26,22.65)
  BOTTOM w0.33: J1.39 41.64,20.25 v1(41.4,20.49) ; v1(39.41,23.85) 38.81,24.45 J1.54 ; J2.52 v1(3.27,23.85) ; J1.29 v1(41.47,17.25) ; J2.26 v1(0.72,16.05) ; J1.23 v1(41.47,15.45)
  BOTTOM w0.381: v2(36.07,42.33) 36.17,42.23 C69.2 ; v1(16.94,39.79) 16.69,39.54 16.54,39.54 C62.2 ; C56.2 26.92,10.84 27.05,10.96 v1(27.08,10.96) ; R79.2 5.08,0.8 v2(4.7,0.8) ; v1(11.15,37.89) 10.77,37.51 C58.2 ; v2(10.67,3.01) 10.57,3.12 C423.2 ; v1(16.95,40.51) 16.62,40.51 C63.2 ; R225.1 41.43,38.88 v2(41.15,39.16) ; R146.2 15.96,43.12 C68.2 ; v1(34.72,33.87) 35,33.6 C281.2 ; R175.1 v1(29.69,38.3) ; R24.2 5.23,41.67 v2(4.95,41.95) ; C167.2 v1(30.58,38.3) ; v2(30.71,8.55) 30.71,8.2 31.14,7.76 C120.2 31.43,7.7 C466.2 ; R198.1 v2(33.25,17.06) ; J2.12 v1(3.27,11.85) ; v2(33.78,3.34) 33.66,3.22 R354.2 ; v2(36.58,3.34) 36.45,3.22 C132.2 ; C81.2 35.05,41.95 34.67,42.33 v2(34.29,42.33) ; C464.2 39.99,4.4 v2(40.01,4.41) ; C98.2 11.43,4.99 ; R65.2 21.46,40.68 v2(21.84,41.06) ; v2(3.94,38.65) 3.68,38.4 U9.2 v2(1.27,38.4) ; C153.2 v1(28.8,38.3) ; C64.2 13.59,34.28 v1(13.26,33.95) ; C461.2 v2(33.76,4.51) ; C129.2 29.95,43.98 v1(30.23,44.26)